# Altium PCB BB.PcbDoc (part 4 of 9)
Units mil, origin at the board's own origin, x right, y up, seen from the top; angles counter-clockwise.
Board outline 6860 x 3500 mil, 6 copper layers (Component Side, Ground Plane (GND), Inner Layer 1, Inner Layer 2, Power Plane (VCC), Solder Side), stack 51.068 mil thick; 496 components, 500 nets, 2194 pads, 1226 vias.
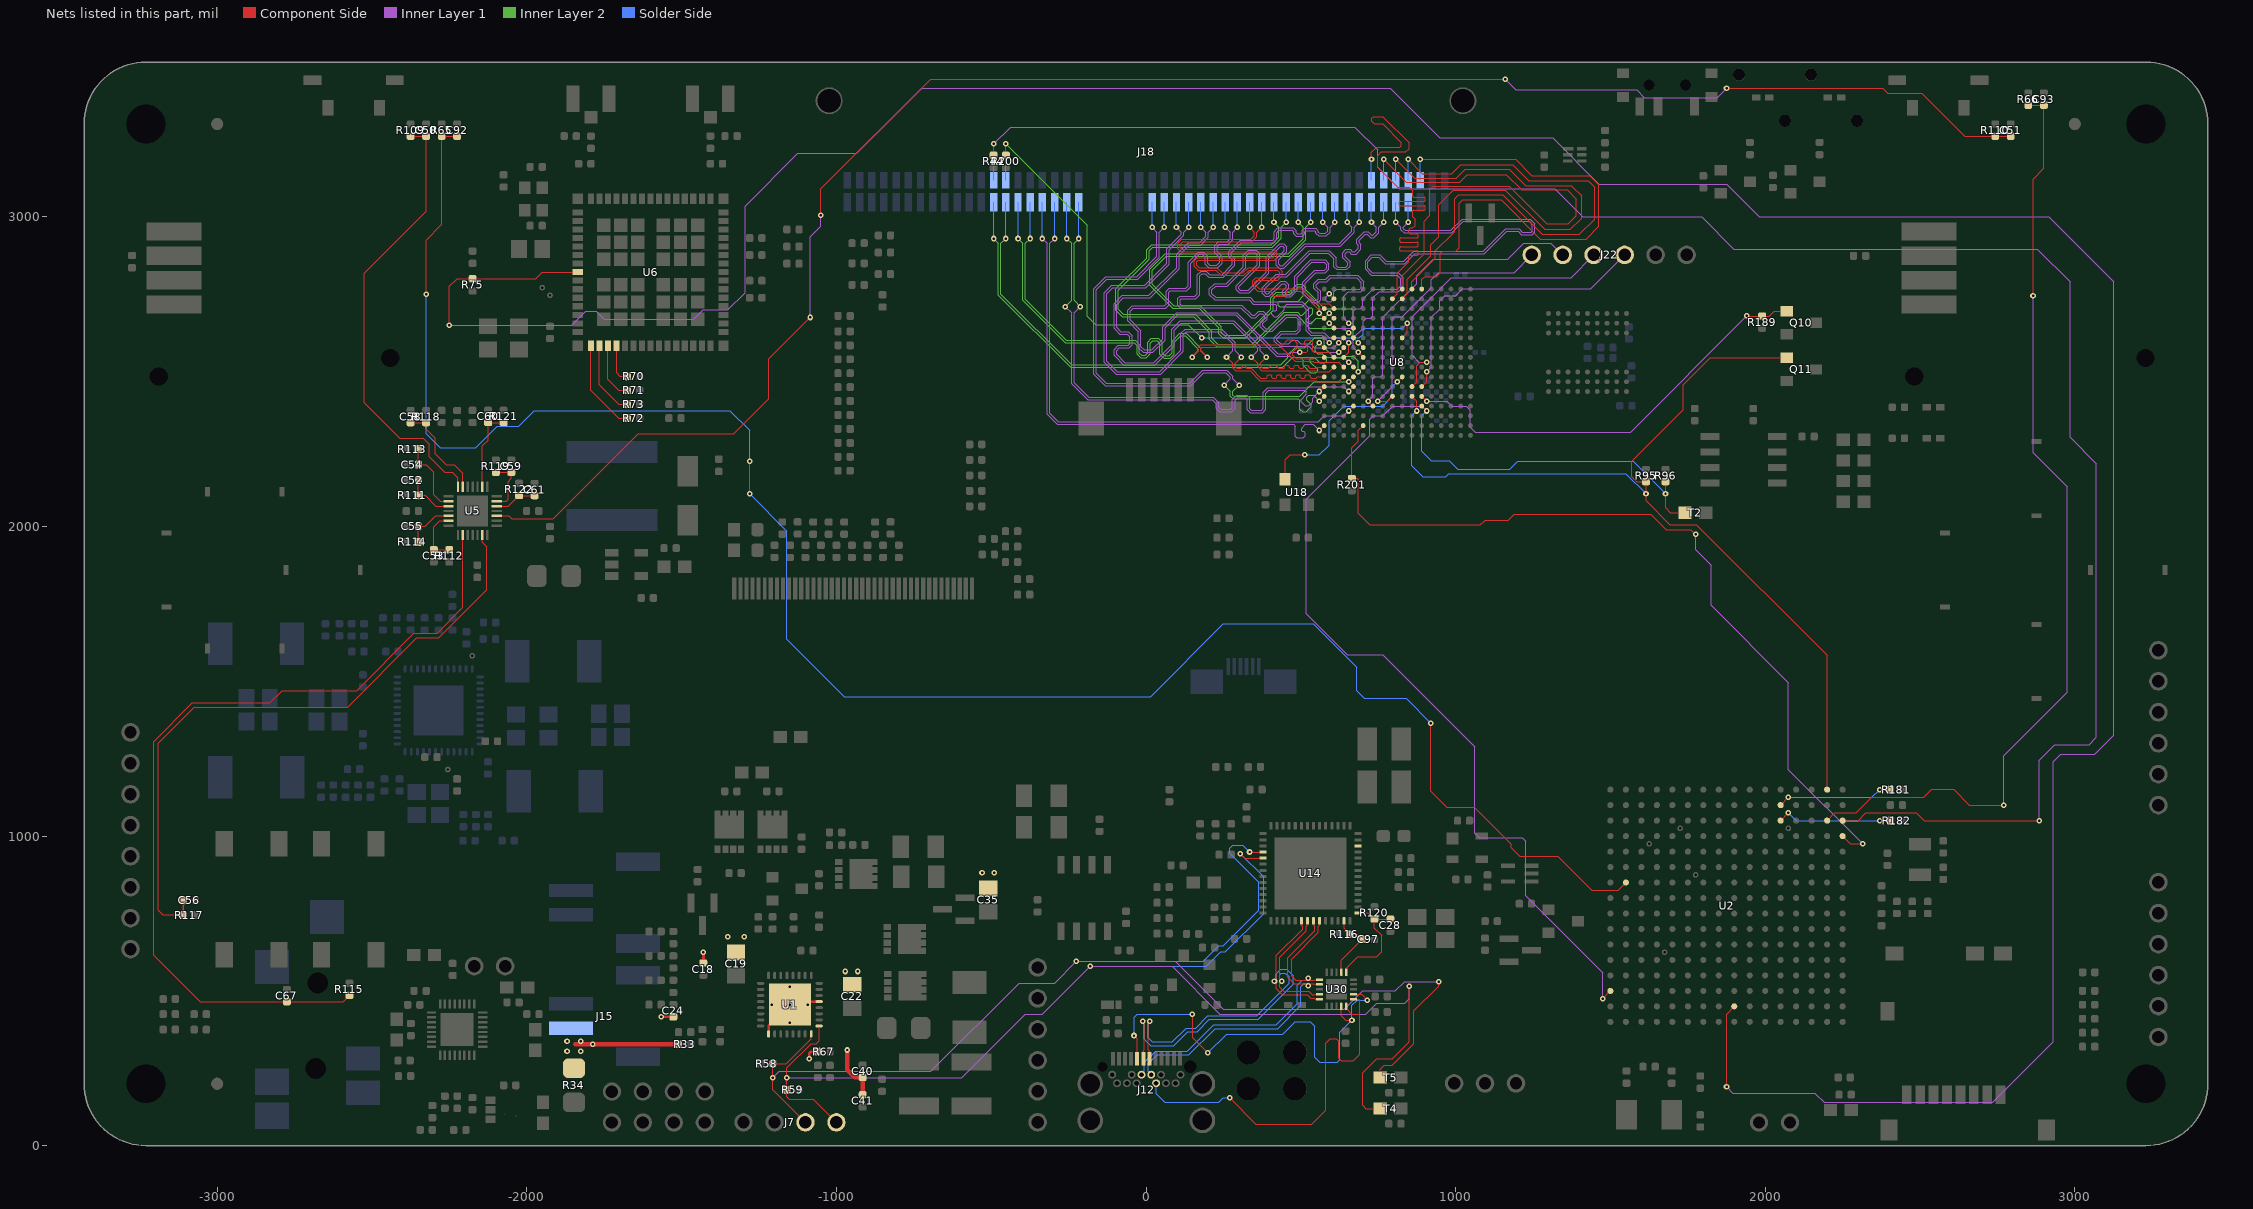
[diagram p8: the nets of this part, all layers, seen from the top]

## Via types
v1: diameter 18, hole 8, Component Side to Solder Side, tented both sides, 1183 vias
v2: diameter 19.68, hole 8, Component Side to Solder Side, tented bottom, 32 vias
v3: diameter 19.68, hole 7.87, Component Side to Solder Side, tented bottom, 4 vias
v4: diameter 19.68, hole 8, Component Side to Solder Side, tented both sides, 4 vias
v5: diameter 18, hole 8, Component Side to Solder Side, tented bottom, 3 vias

## Nets (pads, with @x,y where several pads share a name; then routed paths per layer and width w, separated by ;. In a path a pad name is that pad's centre, name@x,y a point inside that pad or via, vN(x,y) a via of type N, cw(c..) or ccw(c..) an arc to the next point about the centre after c; other vN are vias at no path point) (continued)
B1_DAT22: J18.85 U8.B8 | length 1713.3
  Component Side w4: v1(728.34,3185.5) 728.34,3208.34 745,3225 820,3225 825,3230 825,3240 765,3300 737,3300 729,3308 729,3318 735,3324 765,3324 850,3239 850,3220.44 839.56,3210 760,3210 748,3198 748,3160 813,3095 851,3095 861,3085 861,3068.2 ccw(c865.2,3068.2) 865.2,3064 897.99,3064 cw(c897.99,3059.8) 902.19,3059.8 902.19,3054.2 cw(c897.99,3054.2) 897.99,3050 861,3050 822.01,3050 ccw(c822.01,3045.8) 817.81,3045.8 817.81,3040.2 ccw(c822.01,3040.2) 822.01,3036 861,3036 897.99,3036 cw(c897.99,3031.8) 902.19,3031.8 902.19,3026.2 cw(c897.99,3026.2) 897.99,3022 865.2,3022 ccw(c865.2,3017.8) 861,3017.8 861,3008 861,3001 869,2993 869,2971 862.25,2964.25 854.25,2964.25 849,2959 849,2953 849,2950.2 ccw(c853.2,2950.2) 853.2,2946 874.8,2946 cw(c874.8,2941.8) 879,2941.8 879,2936.2 cw(c874.8,2936.2) 874.8,2932 849,2932 823.2,2932 ccw(c823.2,2927.8) 819,2927.8 819,2922.2 ccw(c823.2,2922.2) 823.2,2918 849,2918 874.8,2918 cw(c874.8,2913.8) 879,2913.8 879,2908.2 cw(c874.8,2908.2) 874.8,2904 849,2904 823.2,2904 ccw(c823.2,2899.8) 819,2899.8 819,2894.2 ccw(c823.2,2894.2) 823.2,2890 849,2890 874.8,2890 cw(c874.8,2885.8) 879,2885.8 879,2880.2 cw(c874.8,2880.2) 874.8,2876 853.2,2876 ccw(c853.2,2871.8) 849,2871.8 849,2864 849,2855 811.81,2817.81 811.81,2750.98 U8.B8@796.06,2735.24
  Solder Side w4: J18.85@728.34,3118.5 v1(728.34,3185.5)
B1_DAT23: J18.87 U8.A9 | length 1713.6
  Component Side w4: v1(767.71,3185.5) 841.21,3112 1013,3112 1037,3136 1164,3136 1213,3087 1360,3087 1390,3057 1390,3003 1364,2977 1295,2977 1173,3099 928,3099 917,3088 917,3005 898,2986 898,2881 827.56,2810.56 U8.A9@827.56,2766.73
  Solder Side w4: J18.87@767.71,3118.5 v1(767.71,3185.5)
B1_DAT24: J18.89 U8.B9 | length 1713.2
  Component Side w4: v1(807.08,3185.5) 867.58,3125 1002,3125 1031,3154 1173,3154 1226,3101 1374,3101 1407,3068 1407,2996 1370.23,2959.23 1287.77,2959.23 1161,3086 992,3086 945,3039 945,2935 920,2910 920,2875 843.31,2798.31 843.31,2750.98 U8.B9@827.56,2735.24
  Solder Side w4: J18.89@807.08,3118.5 v1(807.08,3185.5)
B1_DAT25: J18.91 U8.A10 | length 1713.8
  Component Side w4: v1(846.45,3185.5) 891.95,3140 988,3140 1017,3169 1184,3169 1236,3117 1428,3117 1449,3096 1449,2993 1400,2944 1280.37,2944 1152.37,3072 1010,3072 997,3059 997,2952 935,2890 935,2866 859.05,2790.05 U8.A10@859.05,2766.73
  Solder Side w4: J18.91@846.45,3118.5 v1(846.45,3185.5)
B1_DAT26: J18.93 U8.A11 | length 1712.8
  Component Side w4: v1(885.82,3185.5) 1193.5,3185.5 1246.49,3132.51 1433.49,3132.51 1463,3103 1463,2969 1422,2928 1274,2928 1147,3055 1023,3055 1012,3044 1012,2901 1000,2889 958.03,2889 951,2881.97 951,2819 939,2807 899.56,2807 890.55,2797.99 U8.A11@890.55,2766.73
  Solder Side w4: J18.93@885.82,3118.5 v1(885.82,3185.5)
B2_CLK0_N: J18.28 U8.J5 | length 1701.5
  Component Side w4: v1(685.83,2499.02) U8.J5@701.57,2514.76
  Inner Layer 2 w4: v1(-452.76,2930) -468.44,2914.31 -468.44,2750.44 -240.31,2522.31 434.73,2522.31 457.61,2545.19 457.61,2554.26 481.35,2578 512.84,2578 544.84,2610 570.11,2610 575.59,2604.52 575.59,2577.76 608.35,2545 636,2545 641,2550 669,2550 685.83,2533.17 v1(685.83,2499.02)
  Solder Side w4: v1(-452.76,2930) J18.28@-452.76,3047
B2_CLK0_P: J18.26 U8.G1 | length 1701.5
  Component Side w4: v1(559.84,2593.5) U8.G1@575.59,2577.76
  Inner Layer 2 w4: v1(-492.13,2930) -476.44,2914.31 -476.44,2747.13 -243.62,2514.31 442.48,2514.31 474.43,2546.26 499.36,2546.26 508,2537.62 508,2520 531,2497 549,2497 554,2502 554,2507 531,2530 531,2540.26 535.93,2545.19 544.81,2545.19 562,2528 577,2528 583,2534 583,2545 570,2558 554.98,2558 547,2565.98 547,2580.66 v1(559.84,2593.5)
  Solder Side w4: v1(-492.13,2930) J18.26@-492.13,3047
B2_CLK1_N: J18.32 U8.J3 | length 1701.6
  Component Side w4: v1(197.64,2546.62) 177.5,2566.76 177.5,2575.88 180.61,2578.98 436.76,2578.98 481.36,2534.39 540.22,2534.39 544.09,2530.51 622.83,2530.51 U8.J3@638.58,2514.76
  Inner Layer 2 w4: v1(-374.02,2930) -389.7,2914.31 -389.7,2733.7 -257,2601 -34.69,2601 -21,2587.31 -21,2560 -14,2553 -2.94,2553 5,2560.94 5,2595.31 17.69,2608 39.31,2608 53,2594.31 53,2560 62,2551 74.69,2551 84,2560.31 84,2599 109,2624 129.58,2624 177.5,2576.07 177.5,2566.76 v1(197.64,2546.62)
  Solder Side w4: v1(-374.02,2930) J18.32@-374.02,3047
B2_CLK1_P: J18.30 U8.H1 | length 1701.9
  Component Side w4: v1(149.37,2546.62) 169.5,2566.76 169.5,2579.19 177.29,2586.98 442.58,2586.98 458.6,2603 477.54,2603 488,2592.54 488,2577 473.52,2562.52 473.52,2553.53 484.67,2542.39 542.19,2542.39 546.06,2546.26 U8.H1@575.59,2546.26
  Inner Layer 2 w4: v1(-413.39,2930) -397.7,2914.31 -397.7,2730.39 -260.31,2593 -38,2593 -29,2584 -29,2556.69 -17.31,2545 0.38,2545 13,2557.62 13,2592 21,2600 36,2600 45,2591 45,2556.69 58.69,2543 78,2543 92,2557 92,2595.69 112.31,2616 126.26,2616 169.5,2572.76 169.5,2566.76 v1(149.37,2546.62)
  Solder Side w4: v1(-413.39,2930) J18.30@-413.39,3047
B2_DAT0_N: J18.36 U8.N4 | length 1701.9
  Component Side w4: v1(654.33,2373.03) U8.N4@670.08,2388.78
  Inner Layer 1 w4: v1(-295.28,2930) -310.97,2914.31 -310.97,2365.28 -283.35,2337.66 555.97,2337.66 575.59,2357.28 638.58,2357.28 v1(654.33,2373.03)
  Solder Side w4: v1(-295.28,2930) J18.36@-295.28,3047
B2_DAT0_P: J18.34 U8.R1 | length 1702.3
  Component Side w4: v1(559.84,2310.04) U8.R1@575.59,2325.79
  Inner Layer 1 w4: v1(-334.65,2930) -318.97,2914.31 -318.97,2361.97 -286.66,2329.66 477.34,2329.66 482.83,2324.17 482.83,2291.17 487,2287 508.43,2287 515,2293.57 515,2301 509.06,2306.94 505.25,2306.94 503,2309.19 503,2318 514.66,2329.66 540.22,2329.66 v1(559.84,2310.04)
  Solder Side w4: v1(-334.65,2930) J18.34@-334.65,3047
B2_DAT1_N: J18.40 U8.L4 | length 1702.3
  Component Side w4: v1(654.33,2436.02) U8.L4@670.08,2451.77
  Inner Layer 1 w4: v1(-212.09,2709.87) -232.23,2689.73 -232.23,2464.23 -185,2417 217.31,2417 235,2399.31 235,2385 242,2378 273.69,2378 279,2383.31 279,2410.31 292.69,2424 326,2424 335,2415 335,2381 340,2376 373.69,2376 379,2381.31 379,2434 392.9,2447.9 520.63,2447.9 524.5,2451.77 638.58,2451.77 v1(654.33,2436.02)
  Inner Layer 2 w4: v1(-216.54,2930) -232.23,2914.31 -232.23,2730 v1(-212.09,2709.87)
  Solder Side w4: v1(-216.54,2930) J18.40@-216.54,3047
B2_DAT1_P: J18.38 U8.L1 | length 1699.7
  Component Side w4: v1(559.84,2436.02) U8.L1@575.59,2451.77
  Inner Layer 1 w4: v1(-260.36,2709.87) -240.23,2689.73 ; -240.23,2687.39 -240.23,2460.91 -188.31,2409 214,2409 227,2396 227,2381.69 238.69,2370 277,2370 288,2381 288,2408 296,2416 322.69,2416 327,2411.69 327,2377.69 336.69,2368 377,2368 387,2378 387,2430.69 396.21,2439.9 513.1,2439.9 518,2435 518,2426.28 501,2409.28 501,2403 514,2390 525,2390 538,2403 538,2414.18 v1(559.84,2436.02)
  Inner Layer 2 w4: v1(-260.36,2709.87) -240.23,2730 -240.23,2914.31 v1(-255.91,2930)
  Solder Side w4: v1(-255.91,2930) J18.38@-255.91,3047
B2_DAT2_N: J18.52 U8.K4 | length 1678.7
  Component Side w4: v1(654.33,2467.52) U8.K4@670.08,2483.27
  Inner Layer 1 w4: v1(59.05,2966.18) 43.36,2950.5 43.36,2869.05 -26.69,2799 -126.69,2799 -161.2,2764.49 -161.2,2494.2 -129,2462 140.69,2462 183.73,2505.05 261.19,2505.05 280.81,2485.42 280.81,2476.29 v1(300.95,2456.16)
  Inner Layer 2 w4: v1(300.95,2456.16) 280.81,2436.02 280.81,2424.44 284.98,2420.28 496.85,2420.28 544.09,2467.52 v1(654.33,2467.52)
  Solder Side w4: v1(59.05,2966.18) J18.52@59.05,3047
B2_DAT2_P: J18.50 U8.M1 | length 1682.3
  Component Side w4: v1(559.84,2404.53) U8.M1@575.59,2420.28
  Inner Layer 1 w4: -169.2,2664.49 -169.2,2767.8 -130,2807 -30,2807 35.36,2872.36 35.36,2950.5 v1(19.68,2966.18) ; -169.2,2667.8 -169.2,2490.88 -132.31,2454 144,2454 187.05,2497.05 257.87,2497.05 272.81,2482.11 272.81,2476.29 v1(252.68,2456.16)
  Inner Layer 2 w4: v1(252.68,2456.16) 272.81,2436.02 272.81,2421.13 281.66,2412.28 491.04,2412.28 496.85,2406.47 496.85,2379 505.85,2370 518,2370 534,2386 534,2393.5 520,2407.5 520,2417 526,2423 541.37,2423 v1(559.84,2404.53)
  Solder Side w4: v1(19.68,2966.18) J18.50@19.68,3047
B2_DAT3_N: J18.56 U8.K1 | length 1702
  Component Side w4: v1(308.31,2546.62) 288.17,2526.49 288.17,2515.72 293.01,2510.89 306.89,2510.89 310.68,2514.68 310.68,2516.97 314.13,2520.42 318.25,2520.42 321.7,2516.97 321.7,2514.3 325.11,2510.89 339.37,2510.89 370.87,2479.39 389.1,2479.39 391.69,2481.99 391.69,2487.35 394.35,2490 403.35,2490 406.35,2487 406.35,2482.27 409.22,2479.39 419.99,2479.39 422.58,2481.99 422.58,2487.35 425.24,2490 434.24,2490 437.24,2487 437.24,2482.27 440.11,2479.39 450.88,2479.39 453.47,2481.99 453.47,2487.35 456.13,2490 465.13,2490 468.13,2487 468.13,2482.27 471,2479.39 481.77,2479.39 484.36,2481.99 484.36,2487.35 487.02,2490 496.02,2490 499.02,2487 499.02,2482.27 501.89,2479.39 511.02,2479.39 514.33,2482.71 514.33,2486.33 518,2490 527,2490 530.4,2486.6 530.4,2483.09 534.1,2479.39 550.02,2479.39 553.9,2483.27 U8.K1@575.59,2483.27
  Inner Layer 1 w4: v1(137.79,2966.18) 122.1,2950.5 122.1,2940.79 75,2893.69 75,2846.69 -0.69,2771 -108,2771 -127,2752 -127,2534 -93.34,2500.34 44.34,2500.34 113,2569 113,2623.31 126.69,2637 244.31,2637 288.17,2593.14 288.17,2566.76 v1(308.31,2546.62)
  Solder Side w4: v1(137.79,2966.18) J18.56@137.79,3047
B2_DAT3_P: J18.54 U8.K3 | length 1702.2
  Component Side w4: v1(260.04,2546.62) 280.17,2526.49 280.17,2512.41 289.69,2502.89 336.06,2502.89 367.55,2471.39 550.02,2471.39 553.9,2467.52 622.83,2467.52 U8.K3@638.58,2483.27
  Inner Layer 1 w4: v1(98.42,2966.18) 114.1,2950.5 114.1,2944.1 67,2897 67,2850 -4,2779 -111.31,2779 -135,2755.31 -135,2530.69 -96.66,2492.34 47.66,2492.34 121,2565.69 121,2620 130,2629 241,2629 280.17,2589.83 280.17,2566.76 v1(260.04,2546.62)
  Solder Side w4: v1(98.42,2966.18) J18.54@98.42,3047
B2_DAT4_N: J18.60 U8.J1 | length 1701.4
  Component Side w4: v1(388.49,2546.62) 368.35,2526.49 368.35,2520.42 377.88,2510.89 394.86,2510.89 404.97,2521 418.7,2521 428.81,2510.89 445.79,2510.89 448.38,2513.48 448.38,2518.84 451.03,2521.5 460.03,2521.5 463.03,2518.5 463.03,2513.76 465.9,2510.89 476.68,2510.89 479.27,2513.48 479.27,2518.84 481.92,2521.5 490.92,2521.5 493.92,2518.5 493.92,2513.76 496.79,2510.89 505.92,2510.89 509.23,2514.2 509.23,2517.83 512.9,2521.5 521.9,2521.5 525.31,2518.09 525.31,2514.58 529,2510.89 550.02,2510.89 553.9,2514.76 U8.J1@575.59,2514.76
  Inner Layer 1 w4: v1(216.53,2966.18) 200.84,2950.5 200.84,2933.53 176.31,2909 140.31,2909 108,2876.69 108,2833.06 12.94,2738 -73,2738 -95,2716 -95,2643 -81,2629 -57,2629 -44,2616 -44,2586.37 -53.37,2577 -86,2577 -95,2568 -95,2556 -68,2529 24.69,2529 83,2587.31 83,2637.31 110.18,2664.5 283.5,2664.5 368.35,2579.65 368.35,2566.76 v1(388.49,2546.62)
  Solder Side w4: v1(216.53,2966.18) J18.60@216.53,3047
B2_DAT4_P: J18.58 U8.J2 | length 1702
  Component Side w4: v1(340.22,2546.62) 360.35,2526.49 360.35,2517.11 374.57,2502.89 550.02,2502.89 553.9,2499.02 591.34,2499.02 U8.J2@607.09,2514.76
  Inner Layer 1 w4: v1(177.16,2966.18) 192.84,2950.5 192.84,2936.84 173,2917 137,2917 100,2880 100,2836.37 9.63,2746 -76.31,2746 -103,2719.31 -103,2643 -103,2639.69 -84.31,2621 -60.31,2621 -52,2612.69 -52,2589.69 -56.69,2585 -89.31,2585 -103,2571.31 -103,2552.69 -71.31,2521 28,2521 91,2584 91,2634 113.5,2656.5 280.19,2656.5 360.35,2576.33 360.35,2566.76 v1(340.22,2546.62)
  Solder Side w4: v1(177.16,2966.18) J18.58@177.16,3047
B2_DAT5_N: J18.64 U8.H2 | length 1702
  Component Side w4: v1(496.85,2562.01) 518.01,2562.01 521.9,2565.9 521.9,2578.01 512,2587.91 512,2598 517,2603 531,2603 539,2595 539,2568.1 545.09,2562.01 591.34,2562.01 U8.H2@607.09,2546.26
  Inner Layer 1 w4: v1(295.27,2966.18) 279.58,2950.5 279.58,2925.27 265.31,2911 237,2911 230,2904 230,2887.31 246,2871.31 246,2850 232,2836 201.93,2836 191.56,2846.37 191.56,2869.12 182.25,2878.44 171.75,2878.44 144,2850.69 144,2774.69 131.31,2762 78.74,2762 73,2756.27 73,2714.94 63.06,2705 -41.69,2705 -51,2695.69 -51,2667.31 -16.57,2632.89 -16.57,2580.57 -6,2570 18.69,2570 54,2605.31 54,2645.31 99.69,2691 293.05,2691 425.92,2558.13 465.42,2558.13 469.29,2562.01 v1(496.85,2562.01)
  Solder Side w4: v1(295.27,2966.18) J18.64@295.27,3047
B2_DAT5_P: J18.62 U8.J4 | length 1702.3
  Component Side w4: v1(654.33,2530.51) U8.J4@670.08,2514.76
  Inner Layer 1 w4: v1(255.9,2966.18) 271.58,2950.5 271.58,2928.58 262,2919 233.69,2919 222,2907.31 222,2884 238,2868 238,2853.31 228.69,2844 205.25,2844 199.56,2849.69 199.56,2872.44 185.56,2886.44 168.44,2886.44 136,2854 136,2778 128,2770 75.42,2770 65,2759.58 65,2718.25 59.75,2713 -45,2713 -59,2699 -59,2664 -24.57,2629.57 -24.57,2577.26 -9.31,2562 22,2562 62,2602 62,2642 103,2683 289.74,2683 422.61,2550.13 465.42,2550.13 469.29,2546.26 638.58,2546.26 v1(654.33,2530.51)
  Solder Side w4: v1(255.9,2966.18) J18.62@255.9,3047
B2_DAT6_N: J18.68 U8.C2 | length 1701.5
  Component Side w4: v1(374.01,2966.18) 358.33,2950.5 358.33,2936.01 341.31,2919 118,2919 111,2912 111,2901 116,2896 412.31,2896 423,2885.31 423,2868.69 414.31,2860 168.31,2860 164,2855.69 164,2844 172,2836 229,2836 246,2819 313,2819 330,2836 428,2836 440,2824 440,2810 426,2796 358.31,2796 352,2789.69 352,2781 365,2768 501.31,2768 549.82,2719.49 591.34,2719.49 U8.C2@607.09,2703.74
  Solder Side w4: v1(374.01,2966.18) J18.68@374.01,3047
B2_DAT6_P: J18.66 U8.C1 | length 1701.8
  Component Side w4: v1(334.64,2966.18) 350.33,2950.5 350.33,2939.32 338,2927 114.69,2927 103,2915.31 103,2897.69 112.69,2888 409,2888 415,2882 415,2872 411,2868 165,2868 156,2859 156,2840.69 168.69,2828 225.69,2828 242.69,2811 316.31,2811 333.31,2828 424.69,2828 432,2820.69 432,2813.31 422.69,2804 355,2804 344,2793 344,2777.69 361.69,2760 402,2760 406.26,2755.74 406.26,2749.5 412.76,2743 449,2743 453.42,2747.42 453.42,2754.42 459,2760 497.99,2760 554.25,2703.74 U8.C1@575.59,2703.74
  Solder Side w4: v1(334.64,2966.18) J18.66@334.64,3047
B2_DAT7_N: J18.72 U8.D2 | length 1701.9
  Component Side w4: v1(591.34,2687.99) U8.D2@607.09,2672.24
  Inner Layer 2 w4: v1(452.75,2981.93) 437.07,2966.25 437.07,2930.69 408.38,2902 21.31,2902 10,2890.69 10,2862.69 -89,2763.69 -89,2702.17 -72.83,2686 158.31,2686 213,2631.31 213,2607.53 231.53,2589 343.69,2589 445.95,2691.26 489.74,2691.26 499,2682 504.5,2682 529.5,2707 533,2707 539,2701 539,2688.5 518,2667.5 518,2663 524.5,2656.5 534.5,2656.5 550.24,2672.24 575.59,2672.24 v1(591.34,2687.99)
  Solder Side w4: v1(452.75,2981.93) J18.72@452.75,3047
B2_DAT7_P: J18.70 U8.F4 | length 1702.1
  Component Side w4: v1(654.33,2625) U8.F4@670.08,2609.25
  Inner Layer 2 w4: v1(413.38,2981.93) 429.07,2966.25 429.07,2934 405.07,2910 18,2910 2,2894 2,2866 -97,2767 -97,2698.86 -76.14,2678 155,2678 205,2628 205,2604.22 228.22,2581 347,2581 449.26,2683.26 486.42,2683.26 528.94,2640.75 638.58,2640.75 v1(654.33,2625)
  Solder Side w4: v1(413.38,2981.93) J18.70@413.38,3047
B2_DAT8_N: J18.76 U8.G5 | length 1701.6
  Component Side w4: v1(685.83,2593.5) U8.G5@701.57,2577.76
  Inner Layer 2 w4: v1(531.49,2981.93) 515.81,2966.25 515.81,2925.69 463.12,2873 65,2873 20,2828 20,2783 90,2713 175.31,2713 243,2645.31 243,2626 252,2617 319,2617 403,2701 403,2738.31 420.69,2756 462.89,2756 488.89,2782 504.31,2782 515.81,2770.51 515.81,2764.53 576.6,2703.74 665.32,2703.74 670.08,2698.98 670.08,2609.25 v1(685.83,2593.5)
  Solder Side w4: v1(531.49,2981.93) J18.76@531.49,3047
B2_DAT8_P: J18.74 U8.D1 | length 1701.8
  Component Side w4: v1(559.84,2687.99) U8.D1@575.59,2672.24
  Inner Layer 2 w4: v1(492.12,2981.93) 507.81,2966.25 507.81,2929 459.81,2881 61.69,2881 12,2831.31 12,2779.69 86.69,2705 172,2705 235,2642 235,2622.69 248.69,2609 322.31,2609 411,2697.69 411,2735 424,2748 466.2,2748 492.2,2774 501,2774 507.81,2767.19 507.81,2744.81 491,2728 431,2728 427,2724 427,2715 432,2710 504.51,2710 527.51,2733 536.02,2733 559.84,2709.18 v1(559.84,2687.99)
  Solder Side w4: v1(492.12,2981.93) J18.74@492.12,3047
B2_DAT9_N: J18.80 U8.F3 | length 1701.7
  Component Side w4: v1(622.83,2593.5) U8.F3@638.58,2609.25
  Inner Layer 1 w4: v1(610.23,2981.93) 594.55,2966.25 594.55,2950.55 582.44,2938.44 557.23,2938.44 548.98,2946.69 548.98,2950.71 544.69,2955 515.81,2955 513.45,2952.65 513.45,2946 505.45,2938 484.69,2938 477,2945.69 477,2951.69 472.69,2956 429.27,2956 422,2948.73 422,2927 412,2917 308.31,2917 276,2884.69 276,2875 287,2864 287,2843 249,2805 202.32,2805 191.32,2816 181,2816 174,2809 174,2748 161,2735 113.31,2735 111.34,2733.02 111.34,2717.66 114,2715 310,2715 343,2682 351.69,2682 364.69,2695 379.31,2695 391,2683.31 391,2670 377,2656 377,2648 387,2638 404.69,2638 450.69,2684 487.31,2684 499,2672.31 499,2634.37 487.63,2623 439,2623 423,2607 423,2602 435.37,2589.63 461.35,2589.63 472.72,2601 488,2601 499.37,2589.63 532.22,2589.63 544.09,2577.76 607.09,2577.76 v1(622.83,2593.5)
  Solder Side w4: v1(610.23,2981.93) J18.80@610.23,3047
B2_DAT9_P: J18.78 U8.G3 | length 1701.4
  Component Side w4: v1(622,2563) 623.83,2563 U8.G3@638.58,2577.76
  Inner Layer 1 w4: v1(570.86,2981.93) 586.54,2966.25 586.54,2953.86 579.12,2946.44 560.54,2946.44 556.98,2950 556.98,2954.02 548,2963 512.49,2963 505.45,2955.96 505.45,2949.31 502.14,2946 488,2946 485,2949 485,2955 476,2964 425.96,2964 414,2952.04 414,2930.31 408.69,2925 305,2925 268,2888 268,2871.69 279,2860.69 279,2846.31 245.69,2813 205.64,2813 194.64,2824 177.69,2824 166,2812.31 166,2751.31 157.69,2743 110,2743 103.34,2736.34 103.34,2714.35 110.69,2707 306.69,2707 339.69,2674 355,2674 368,2687 376,2687 383,2680 383,2673.31 369,2659.31 369,2644.69 383.69,2630 408,2630 454,2676 484,2676 491,2669 491,2637.69 484.31,2631 435.69,2631 415,2610.31 415,2598.69 432.06,2581.63 525.47,2581.63 544.1,2563 v1(622,2563)
  Solder Side w4: v1(570.86,2981.93) J18.78@570.86,3047
B2_DAT10_N: J18.84 U8.H3 | length 1701.3
  Component Side w4: U8.H3@638.58,2546.26 654.33,2562.01 v1(654.33,2593.5)
  Inner Layer 1 w4: v1(654.33,2593.5) 637.83,2610 591.34,2610 576.34,2625 536,2625 526,2635 526,2704.86 504.86,2726 350.31,2726 336.31,2740 225.31,2740 213,2752.31 213,2764 225,2776 262.31,2776 322,2835.69 322,2872.69 333.31,2884 353,2884 360,2877 360,2846 292,2778 292,2764 301,2755 333.31,2755 396,2817.69 396,2866.02 434.98,2905 441,2905 446,2900 446,2890 420,2864 420,2844 430,2834 445.63,2834 516.63,2905 627.31,2905 673.28,2950.97 673.28,2966.25 v1(688.97,2981.93)
  Solder Side w4: v1(688.97,2981.93) J18.84@688.97,3047
B2_DAT10_P: J18.82 U8.F2 | length 1701.5
  Component Side w4: v1(591.34,2593.5) U8.F2@607.09,2609.25
  Inner Layer 1 w4: v1(591.34,2593.5) 567.84,2617 532.69,2617 518,2631.69 518,2701.55 501.55,2718 454,2718 446.41,2710.41 446.41,2699.41 424,2677 414,2677 406,2685 406,2693 410,2697 419,2697 422,2700 422,2713 417,2718 347,2718 333,2732 222,2732 205,2749 205,2767.31 221.69,2784 259,2784 314,2839 314,2876 330,2892 356.31,2892 368,2880.31 368,2842.69 300,2774.69 300,2767.31 304.31,2763 330,2763 388,2821 388,2869.33 431.67,2913 444.31,2913 454,2903.31 454,2886.69 428,2860.69 428,2847.31 433.31,2842 442.31,2842 513.31,2913 624,2913 665.28,2954.28 665.28,2966.25 v1(649.6,2981.93)
  Solder Side w4: v1(649.6,2981.93) J18.82@649.6,3047
B2_DAT11_N: J18.88 U8.E4 | length 1701.7
  Component Side w4: v1(654.33,2656.5) U8.E4@670.08,2640.75
  Inner Layer 1 w4: v1(654.33,2656.5) 638.58,2672.24 638.58,2743.98 653.33,2758.73 693.57,2758.73 704,2769.16 704,2790.31 683.31,2811 611.69,2811 593,2811 581,2799 556.37,2799 542,2784.63 542,2770 556,2756 556,2735.09 550.91,2730 542,2730 515,2757 515,2785 549,2819 579.31,2819 591,2830.69 591,2848.31 578.31,2861 532.69,2861 480,2808.31 480,2766 464,2750 453,2750 449,2754 449,2757.42 461,2769.42 461,2781.31 450.31,2792 436,2792 394.98,2750.98 389.02,2750.98 384,2756 384,2767.69 423.31,2807 455.31,2807 531.31,2883 589,2883 607,2865 607,2838.69 615.69,2830 649,2830 659,2840 659,2855.31 643,2871.31 643,2880.72 649.28,2887 656,2887 663,2880 678.31,2880 693.83,2895.51 693.83,2911.12 688.66,2916.29 688.66,2924.66 708,2944 714.12,2944 725.12,2933 735.84,2933 752.02,2949.18 752.02,2966.25 v1(767.71,2981.93)
  Solder Side w4: v1(767.71,2981.93) J18.88@767.71,3047
B2_DAT11_P: J18.86 U8.B2 | length 1701.7
  Component Side w4: v1(591.34,2750.98) U8.B2@607.09,2735.24
  Inner Layer 1 w4: v1(591.34,2750.98) 581,2740.65 581,2731 586,2726 596,2726 607.09,2737.09 607.09,2758.5 615.32,2766.73 690.26,2766.73 696,2772.47 696,2787 680,2803 596.31,2803 584.31,2791 559.69,2791 550,2781.31 550,2773.31 564,2759.31 564,2731.77 554.23,2722 538.69,2722 507,2753.69 507,2788.31 545.69,2827 576,2827 583,2834 583,2845 575,2853 536,2853 488,2805 488,2762.69 467.31,2742 449.69,2742 441,2750.69 441,2760.73 453,2772.73 453,2778 447,2784 439.31,2784 398.3,2742.98 385.7,2742.98 376,2752.69 376,2771 420,2815 452,2815 528,2891 592.31,2891 615,2868.31 615,2842 619,2838 645.69,2838 651,2843.31 651,2852 635,2868 635,2884.03 645.97,2895 659.31,2895 666.31,2888 675,2888 685.83,2898.83 685.83,2907.8 680.66,2912.97 680.66,2927.97 704.69,2952 717.44,2952 728.44,2941 732.53,2941 744.02,2952.5 744.02,2966.25 v1(728.34,2981.93)
  Solder Side w4: v1(728.34,2981.93) J18.86@728.34,3047
B2_DAT12_N: J18.92 U8.H5 | length 1701.8
  Component Side w4: v1(685.83,2562.01) U8.H5@701.57,2546.26
  Inner Layer 1 w4: v1(685.83,2562.01) 670.08,2577.76 670.08,2609.25 701.57,2640.75 701.57,2662.57 711.24,2672.24 726.31,2672.24 733.07,2679 733.07,2739.07 752.73,2758.73 814.85,2758.73 816.12,2760 827.56,2771.44 830.76,2774.64 830.76,2803.55 815.31,2819 731.31,2819 717,2833.31 717,2855.69 731.31,2870 752,2870 773,2849 836.31,2849 868.31,2881 1093.31,2881 1165.31,2953 1201.69,2953 1211.69,2943 1247,2943 1256,2952 1256,2978 1241,2993 1021.73,2993 984.73,2956 837,2956 830.76,2962.23 830.76,2966.25 v1(846.45,2981.93)
  Solder Side w4: v1(846.45,2981.93) J18.92@846.45,3047
B2_DAT12_P: J18.90 U8.E2 | length 1701.9
  Component Side w4: v1(591.34,2656.5) U8.E2@607.09,2640.75
  Inner Layer 1 w4: v1(591.34,2656.5) 607.09,2640.75 660.83,2640.75 670.08,2650 670.08,2696.44 677.38,2703.74 691.29,2703.74 700.83,2713.27 700.83,2734.49 733.07,2766.73 811.54,2766.73 822.76,2777.96 822.76,2800.23 812,2811 728,2811 709,2830 709,2859 728,2878 755.31,2878 776.31,2857 833,2857 865,2889 1090,2889 1162,2961 1205,2961 1215,2951 1243.69,2951 1248,2955.31 1248,2974.69 1237.69,2985 1025.05,2985 988.05,2948 833.69,2948 822.76,2958.92 822.76,2966.25 v1(807.08,2981.93)
  Solder Side w4: v1(807.08,2981.93) J18.90@807.08,3047
BAT_SCL: J7.4 R59.2 T4.1 U1.17 U14.47 | length 4229.3
  Component Side w4: U1.17@-1055.59,386.59 -1055.59,338.41 -1065,329 -1081.96,329 -1160,250.96 v1(-1160,220) R59.2@-1160,180 -1160,158.37 -1151.57,149.94 -1074.49,149.94 J7.4@-1000,75.45 ; v1(304.88,942.6) 318.66,928.82 U14.47@377.72,928.82 ; T4.1@756.54,120 710.04,120 700,130.04 700,235 745,280 795,280 850,335 v1(850,515)
  Inner Layer 1 w4: v1(-1160,220) -595,220 -390,425 -335,425 v1(-180,580) 84,580 239,425 710,425 745,460 835,460 850,475 v1(850,515)
  Solder Side w4: v1(-180,580) 195,580 241,626 256,626 379.69,749.69 379.69,867.8 v1(304.88,942.6)
BAT_SDA: J7.3 R58.2 T5.1 U1.16 U14.46 | length 4232.8
  Component Side w4: J7.3@-1100,75.45 -1205,180.45 v1(-1205,220) -1205,265.31 -1161.69,265.31 -1081.18,345.82 U1.16@-1081.18,361 ; v1(334.41,948.5) U14.46@377.72,948.5 ; T5.1@756.54,220 756.54,246.5 770.04,260 795,260 865,330 865,435 945,515 v1(945,530)
  Inner Layer 1 w4: v1(-1205,220) -1185,240 -695,240 -410,525 -295,525 v1(-225,595) 94,595 249,440 640,440 700,500 805,500 835,530 v1(945,530)
  Solder Side w4: v1(-225,595) 185,595 235,645 250,645 364.8,759.8 364.8,850.08 270.79,944.09 270.79,960.79 280,970 312.91,970 v1(334.41,948.5)
BGND: C18.1 C19.1 C22.1 C24.1 C35.1 C40.2 C41.2 J15.2 R33.1 R34.1 R67.2 U1.9 U1.21 U1.33 | length 843.7
  Component Side w8: v1(-1566.23,416.12) C24.1@-1526.7,416.12 ; U1.9@-1218.98,361 -1218.98,386.59 U1.33@-1150.08,455.49 ; U1.33@-1140.24,465.33 U1.21@-1055.59,465.33 ; v1(-1088,280.79) -1088,298 -1082,304 R67.2@-1060,304
  Component Side w10: C18.1@-1429.76,589.9 v1(-1429.76,625.33)
  Component Side w15: -1843,327.54 R33.1@-1509.99,327.54 ; v1(-965,309) -965,245 -940.63,220.63 C40.2@-915,220.63 C41.2@-915,164.33
  other v1: -1870.08,304.96 -1825.08,304.96 -1870.08,337.75 -1825.08,337.75 -970.85,562.62 -930.85,562.62 -1350.61,674.54 -1297.46,674.54 -529.61,881.75 -489.61,881.75
  other v5: -1787,327.54
BT_EN: R75.1 U2.H15 U6.41 | length 10721.4
  Component Side w4: v1(-2250,2650) -2250,2775.1 -2225.1,2800 R75.1@-2175,2800 -1971.44,2800 -1950,2821.44 U6.41@-1835.24,2821.44 ; v1(1875,190) 1875,424.82 U2.H15@1900,449.82
  Inner Layer 1 w4: v1(-2250,2650) -1855,2650 -1810,2695 -1775,2695 -1750,2670 -1460,2670 -1430.77,2699.23 -1350.77,2699.23 -1295,2755 -1295,3035 -1125,3205 -935,3205 -725,3415 788.21,3415 948.21,3255 1313,3255 1463,3105 1875,3105 1980,3000 2915,3000 3125,2790 3125,1325 3065,1265 2955,1265 2930,1240 2930,335 2735,140 2190,140 2160,170 1895,170 v1(1875,190)
BT_UART_CTSN: R72.2 U6.50 | length 299.5
  Component Side w4: U6.50@-1792.91,2584.23 -1792.91,2439.91 -1703,2350 R72.2@-1675,2350
BT_UART_RTSN: R73.2 U6.51 | length 243.1
  Component Side w4: U6.51@-1765.35,2584.23 -1765.35,2457.35 -1703,2395 R73.2@-1675,2395
BT_UART_RXD: R71.2 U6.52 | length 186.6
  Component Side w4: U6.52@-1737.8,2584.23 -1737.8,2474.8 -1703,2440 R71.2@-1675,2440
BT_UART_TXD: R70.2 U6.53 | length 127.9
  Component Side w4: U6.53@-1710.24,2584.23 -1710.24,2496.24 -1699,2485 R70.2@-1675,2485
BTN_A: C58.2 R118.1 U5.27 | length 321.3
  Component Side w4: C58.2@-2375,2335.32 R118.1@-2325,2335.32 -2325,2314.06 -2295.37,2284.43 -2295.37,2235.37 -2260,2200 -2235,2200 -2206.5,2171.5 U5.27@-2206.5,2127.76
BTN_B: C59.2 R119.1 U5.20 | length 180.6
  Component Side w4: R119.1@-2099.92,2175 -2050,2175 -2050,2155 -2060,2145 -2060,2088.6 -2067.11,2081.5 U5.20@-2097.24,2081.5
BTN_DOWN: C53.2 R112.1 U5.6 | length 180
  Component Side w4: U5.6@-2252.76,2018.5 -2281.5,2018.5 -2300.32,1999.69 C53.2@-2300.32,1925 R112.1@-2250.32,1925
BTN_LB: C92.2 R65.1 U2.R7 | length 6326.2
  Component Side w4: v1(-2325,2750) -2325,2925 -2274.69,2975.31 R65.1@-2274.69,3260.63 C92.2@-2225,3260.63 C92.2@-2224.69,3260.63 ; v1(-1280,2105) v1(-1280,2210) ; v1(920,1365) 920,1145 972,1093 1061,1093 1180,974 1180,961.82 1206.82,935 1330,935 1440.18,824.82 1525,824.82 U2.R7@1550,849.82
  Solder Side w4: v1(-2325,2750) -2325,2300 -2280,2255 -2165,2255 -2096,2324 -2026,2324 -1976,2374 -1344,2374 -1280,2310 v1(-1280,2210) ; v1(-1280,2105) -1160,1985 -1160,1635 -975,1450 15,1450 250,1685 540,1685 680,1545 680,1470 705,1445 840,1445 v1(920,1365)
BTN_LEFT: C54.2 R113.1 U5.2 | length 239.4
  Component Side w4: R113.1@-2350,2250 C54.2@-2350,2200 -2325,2200 -2300.32,2175.31 -2300.32,2101.81 -2280,2081.5 U5.2@-2252.76,2081.5
BTN_LT: C50.2 R109.1 U5.28 | length 1449.9
  Component Side w4: R109.1@-2375,3260.63 C50.2@-2325,3260.63 -2325,3017.97 -2525,2817.97 -2525,2400 -2410,2285 -2334.67,2285 -2315,2265.33 -2315,2225 -2265,2175 -2240,2175 -2222.24,2157.24 U5.28@-2222.24,2127.76
BTN_RB: C93.2 R66.1 U2.B3 | length 3094
  Component Side w4: U2.B3@2200,1049.82 2225.18,1075 2294.69,1075 2344.69,1125 2512,1125 2538,1151 2608.25,1151 2659.25,1100 v1(2770,1100) ; R66.1@2849.67,3360.63 C93.2@2900,3360.63 2900,3157 2865,3122 v1(2865,2745)
  Inner Layer 1 w4: v1(2770,1100) 2770,1260 2975,1465 2975,2128.58 2865,2238.58 v1(2865,2745) v1@2865,2750
BTN_RIGHT: C55.2 R114.1 U5.5 | length 161.7
  Component Side w4: R114.1@-2350.31,1950 C55.2@-2350.31,2000 -2327.76,2000 -2293.5,2034.25 U5.5@-2252.76,2034.25
BTN_RT: C51.2 R110.1 U5.17 | length 5881.8
  Component Side w4: U5.17@-2097.24,2034.25 -2058.31,2034.25 -2049.06,2025 -1915,2025 -1640,2300 -1331,2300 -1218.98,2412.02 -1218.98,2541.02 v1(-1085,2675) ; v1(-1050,3005) -1050,3090 -695,3445 v1(1160,3445) ; v1(1875,3415) 2380,3415 2395,3400 2505,3400 2644.37,3260.63 R110.1@2743.11,3260.63 C51.2@2793.11,3260.63
  Inner Layer 1 w4: v1(-1085,2675) -1085,2935 -1050,2970 v1(-1050,3005) ; v1(1160,3445) 1195,3410 1585,3410 1610,3385 1845,3385 v1(1875,3415)
BTN_SELECT: C56.2 R117.1 U5.13 | length 2121.5
  Component Side w4: R117.1@-3108,745.45 -3175.45,745.45 -3190,760 -3190,1300 -3074,1416 -2579,1416 -2355,1640 -2285,1640 -2130,1795 -2130,1935 -2143.5,1948.5 U5.13@-2143.5,1972.24
  Component Side w5: R117.1@-3109.82,746.37 C56.2@-3109.82,792
BTN_START: C67.2 R115.1 U5.9 | length 2804.4
  Component Side w4: R115.1@-2573,485.38 -2593.38,465 C67.2@-2775,465 -3055,465 -3205,615 -3205,1305 -3080,1430 -2830,1430 -2790,1470 -2550,1470 -2365,1655 -2290,1655 -2206.5,1738.5 U5.9@-2206.5,1972.24
BTN_UP: C52.2 R111.1 U5.3 | length 161.4
  Component Side w4: C52.2@-2350,2150 R111.1@-2350,2100 -2327.76,2100 -2293.5,2065.75 U5.3@-2252.76,2065.75
BTN_X: C60.2 R121.1 U5.23 | length 265.5
  Component Side w4: U5.23@-2143.5,2127.76 -2143.5,2260.75 -2125.06,2279.19 C60.2@-2125.06,2335.63 R121.1@-2075.06,2335.63
BTN_Y: C61.2 R122.1 U5.19 | length 136.3
  Component Side w4: U5.19@-2097.24,2065.75 -2059.11,2065.75 -2025.19,2099.67 C61.2@-1975,2099.67
C_CC1: C97.2 R116.2 U14.13 U30.12 | length 232.2
  Component Side w4: U30.12@631.06,560.12 631.06,599.49 C97.2@698.58,667.01 682.83,682.76 R116.2@659.21,682.76 639.53,702.44 U14.13@639.53,726.06
C_CC2: C28.2 R120.2 U14.15 U30.11 | length 377.8
  Component Side w4: U30.11@646.81,560.12 646.81,573.58 683.23,610 745,610 761.57,626.57 761.57,679.31 737.95,702.93 R120.2@737.95,731.97 ; U14.15@684.8,751.65 716.3,751.65 735.98,731.97 R120.2@737.95,731.97 ; C28.2@789.13,731.97 R120.2@737.95,731.97
C_USB_B_N: J12.B7 U14.9 U30.16 | length 1037
  Component Side w4: U30.16@560.2,536.5 545.89,536.5 544.01,534.62 530,534.62 v1(524.5,540.12) 519,534.62 483.92,534.62 470,548.54 470,601.99 556.94,688.93 556.94,707.91 560.79,711.75 U14.9@560.79,726.06
  Solder Side w4: J12.B7@-14.65,229.21 -4.9,238.96 -4.9,269.28 30.83,305 133.03,305 218.03,390 420,390 488,458 488,517.62 505,534.62 519,534.62 v1(524.5,540.12)
C_USB_B_P: J12.B6 U14.8 U30.17 | length 1037
  Component Side w4: U14.8@541.1,726.06 541.1,711.75 544.94,707.91 544.94,693.9 458,606.96 458,543.57 478.95,522.62 519,522.62 v1(524.5,517.12) 530,522.62 544.01,522.62 545.89,520.75 U30.17@560.2,520.75
  Solder Side w4: J12.B6@16.85,229.21 7.1,238.96 7.1,264.3 35.8,293 138,293 223,378 424.97,378 500,453.03 500,512.65 509.97,522.62 519,522.62 v1(524.5,517.12)
C_USB_T_N: J12.A7 U14.7 U30.19 | length 1210.4
  Component Side w4: J12.A7@10.94,270.37 J12.A7@10.94,280.79 10.94,305.53 7.1,309.37 7.1,396.07 v1@10.94,399.92 ; v1@10.94,403.96 v1@10.94,399.92 ; v1(12.6,401.57) v1@10.94,399.92 ; U14.7@521.42,726.06 521.42,711.75 517.57,707.91 517.57,694.83 432,609.26 432,537 v1(438,531) 432,525 432,511.56 444.56,499 525,499 537.12,486.88 543.51,486.88 545.89,489.25 U30.19@560.2,489.25
  Solder Side w4: v1(12.6,401.57) 7.1,396.07 7.1,348.04 20.15,335 84.9,335 129.9,380 159.96,380 199.96,420 357.75,420 462,524.25 462,545 450,557 437,557 432.5,552.5 432.5,536.5 v1(438,531)
C_USB_T_P: J12.A6 U14.6 U30.20 | length 1309.7
  Component Side w4: v1(-10.4,401.57) v1@-8.74,399.92 ; J12.A6@-8.74,270.37 J12.A6@-8.74,280.79 -8.74,305.53 -4.9,309.37 -4.9,396.07 v1@-8.74,399.92 ; v1@-8.74,403.96 v1@-8.74,399.92 ; U14.6@501.73,726.06 501.73,711.75 505.57,707.91 505.57,699.8 421,615.23 421,537 v1(415,531) 421,525 421,507 440,488 520.44,488 532.57,475.88 543.51,475.88 545.89,473.5 U30.20@560.2,473.5
  Solder Side w4: v1(-10.4,401.57) -4.9,396.07 -4.9,343.07 15.18,323 89.87,323 134.87,368 164.93,368 204.93,408 362.72,408 475.86,521.14 ; v1(415,531) 420.5,536.5 420.5,555.5 435,570 455,570 476,549 476,521
CART_DET_N: J18.25 R44.1 U2.A3 | length 6466.3
  Component Side w4: R44.1@-492.13,3198.95 v1(-492.13,3235.5) ; U2.A3@2250,1049.82 2299.82,1049.82 2324.82,1074.82 2488.18,1074.82 2513.18,1049.82 v1@2885,1049.82
  Inner Layer 1 w4: v1(-492.13,3235.5) -437.63,3290 675,3290 748,3217 748,3160 818,3090 1320,3090 1410,3000 1795,3000 1899,2896 2879,2896 2985,2790 2985,2288 3070,2203 3070,1319 3046.02,1295.02 2935.02,1295.02 2885,1245 v1(2885,1050)
  Solder Side w4: J18.25@-492.13,3118.5 v1(-492.13,3235.5)
CART_INT_N: J18.27 R200.1 U8.F9 | length 1962
  Component Side w4: R200.1@-452.76,3198.95 v1(-452.76,3235.5) ; U8.F9@827.56,2609.25 843.31,2625 v1(843.31,2656.08)
  Inner Layer 2 w4: v1(-452.76,3235.5) -190,2972.74 -190,2679 -163,2652 137.25,2652 v1(180,2609.25)
  Solder Side w4: J18.27@-452.76,3118.5 v1(-452.76,3235.5) ; v1(180,2609.25) 689.25,2609.25 701.57,2621.57 701.57,2635.79 ; 701.79,2635.79 706.75,2640.75 827.97,2640.75 v1(843.31,2656.08)
CC1: J12.A5 U30.4 U30.7 | length 1433.4
  Component Side w4: v1(-38.74,355.79) -28.43,345.47 J12.A5@-28.43,280.79 ; v1(150,425) 150,349.53 v1@200,299.53 ; U30.4@631.06,449.88 631.06,419.25 645.32,405 v1(665.32,405) ; U30.7@670.43,489.25 696.06,489.25 v1(715,470.32) v1@715.32,470
  Solder Side w4: v1(-38.74,355.79) -38.74,414.21 -27.95,425 v1(150,425) ; v1(200,300) 260.02,360.02 441.95,360.02 481.93,400 530,400 545,385 545,285 560.72,269.28 618.28,269.28 626.05,277.05 626.05,365.74 v1(665.32,405) 665.32,453.32 682.32,470.32 v1(715,470.32)
CC2: J12.B5 U30.5 U30.6 | length 1307.7
  Component Side w4: v1(270,155) 355,70 535.17,70 580.19,115.03 580.19,330.19 595,345 615,345 622,338 622,283 630,275 669.65,275 690.32,295.67 690.32,425 ; U30.5@646.81,449.88 646.81,443.5 665.32,425 690.32,425 ; U30.6@670.43,473.5 686.81,473.5 690.32,470 690.32,425
  Solder Side w4: J12.B5@32.6,201.65 32.6,167.4 60,140 235,140 250,155 v1(270,155)
CLK_100MHZ: U8.K9 U18.3 | length 616.5
  Component Side w4: U18.3@449.61,2152.56 449.61,2215.55 465.35,2231.3 v1(512.6,2231.3) ; v1(811.81,2467.52) U8.K9@827.56,2483.27
  Solder Side w4: v1(512.6,2231.3) 559.84,2231.3 591.34,2262.79 591.34,2341.54 638.58,2388.78 764.78,2388.78 796.06,2420.06 796.06,2451.77 v1(811.81,2467.52)
DP_HPD: U14.26
EMU0: R181.2 U2.E2 | length 374.8
  Component Side w4: U2.E2@2050,1099.82 v1(2075,1124.82) ; v1(2370,1150) R181.2@2404.02,1150
  Solder Side w4: v1(2075,1124.82) 2344.82,1124.82 v1(2370,1150)
EMU1: R182.2 U2.E3 | length 375.3
  Component Side w4: U2.E3@2050,1049.82 v1(2075,1074.82) ; v1(2370,1050) R182.2@2404.65,1050
  Solder Side w4: v1(2075,1074.82) 2099.82,1050 v1(2370,1050)
FPGA_DEBUG0: J22.3 U8.L11 | length 959.9
  Component Side w4: U8.L11@890.55,2451.77 906.3,2467.52 ; 906.19,2467.63 v1@906.19,2498.89
  Inner Layer 1 w4: v1(906.3,2499.02) 922,2514.72 922,2675 948,2701 948,2728.71 964.29,2745 1000,2745 1022,2767 1436,2767 J22.3@1546,2877
FPGA_DEBUG1: J22.4 U8.L10 | length 960.7
  Component Side w4: U8.L10@859.06,2451.77 874.8,2467.52 ; 874.7,2467.63 874.7,2519.7 885.51,2530.51 v1(906.3,2530.51)
  Inner Layer 1 w4: v1(906.3,2530.51) 881.49,2530.51 859.27,2552.73 859.27,2677.27 986,2804 1373,2804 J22.4@1446,2877
FPGA_DEBUG2: J22.5 U8.N6 | length 1034.9
  Component Side w4: v1(717.32,2404.53) U8.N6@733.07,2388.78
  Inner Layer 1 w4: v1(717.32,2404.53) 733.07,2420.28 733.07,2476.89 739.45,2483.27 758.19,2483.27 764.57,2489.64 764.57,2675 874,2784.43 874,2810 927,2863 1168,2863 1220,2915 1308,2915 J22.5@1346,2877
FPGA_DEBUG3: J22.6 U8.M8 | length 890.6
  Component Side w4: v1(748.82,2404.53) 780.31,2404.53 U8.M8@796.06,2420.28
  Inner Layer 1 w4: v1(748.82,2404.53) 796.06,2451.77 796.06,2671.44 801.4,2676.77 827.77,2676.77 922,2771 922,2797 945,2820 1189,2820 J22.6@1246,2877
FPGA_DONE_N: Q11.1 R95.2 U2.B1 U8.M10 | length 3115.9
  Component Side w4: U8.M10@859.06,2420.28 874.8,2404.53 v1(874.8,2373.03) ; Q11.1@2069.76,2544.4 1822.4,2544.4 1736,2458 1736,2377 1569,2210 1569,2160 1584.32,2144.68 R95.2@1614.96,2144.68 v1(1614.96,2105.31) 1614.96,2083.04 1692,2006 1778,2006 2200,1584 U2.B1@2200,1149.82
  Solder Side w4: v1(874.8,2373.03) 859.06,2357.28 859.06,2195.62 894.67,2160 968.05,2160 978.05,2170 1550.27,2170 v1(1614.96,2105.31)
FPGA_INT_N: R201.2 U2.A4 U8.R5 | length 2763.3
  Component Side w4: U8.R5@701.57,2325.79 685.83,2310.04 685.83,2276.02 664,2254.2 664,2156 R201.2@665,2155 682,2155 685.83,2151.17 685.83,2042.32 723.15,2005 1080,2005 1095,2020 1170,2020 1190,2040 1630,2040 1680,1990 1760,1990 v1(1775,1975) ; U2.A4@2250,999.82 2275,974.82 v1(2315,974.82)
  Inner Layer 1 w4: v1(1775,1975) 1775,1925 1825,1875 1825,1745 2075,1495 2075,1214.82 v1(2315,974.82)
FPGA_LED: Q10.1 R189.1 U8.M11 | length 1419.4
  Component Side w4: U8.M11@890.55,2420.28 v1(906.3,2404.53) ; v1@1941,2679.69 R189.1@1990,2679.69 2013.68,2679.69 2029.4,2695.4 Q10.1@2069.76,2695.4
  Inner Layer 1 w4: v1(906.3,2404.53) 971.47,2404.53 987,2389 1034.03,2389 1048,2375.03 1048,2321 1064,2305 1565,2305 v1(1940,2680)
FPGA_RST_N: R96.2 T2.1 U2.T14 U8.N11 | length 3923.6
  Component Side w4: U8.N11@890.55,2388.78 v1(906.3,2373.03) ; v1(1475,474.82) U2.T14@1500,499.82 ; R96.2@1677.95,2144.69 v1(1677.95,2105.31) 1677.95,2060 1693.7,2044.25 T2.1@1740.94,2044.25
  Inner Layer 1 w4: v1(906.3,2373.03) 890.33,2389 796.28,2389 764.57,2357.28 733.28,2357.28 722,2346 722,2293 517,2088 517,1718.33 650.33,1585 765,1585 1062,1288 1062,1008.74 1075.74,995 1215,995 1227,983 1227,807 1475,559 v1(1475,474.82)
  Solder Side w4: v1(906.3,2373.03) 890.55,2357.28 890.55,2243.45 922.05,2211.95 980.05,2211.95 1007,2185 1175,2185 1200,2210 1573.27,2210 v1(1677.95,2105.31)